# KiCad board oresat-batteries.kicad_pcb (continued)
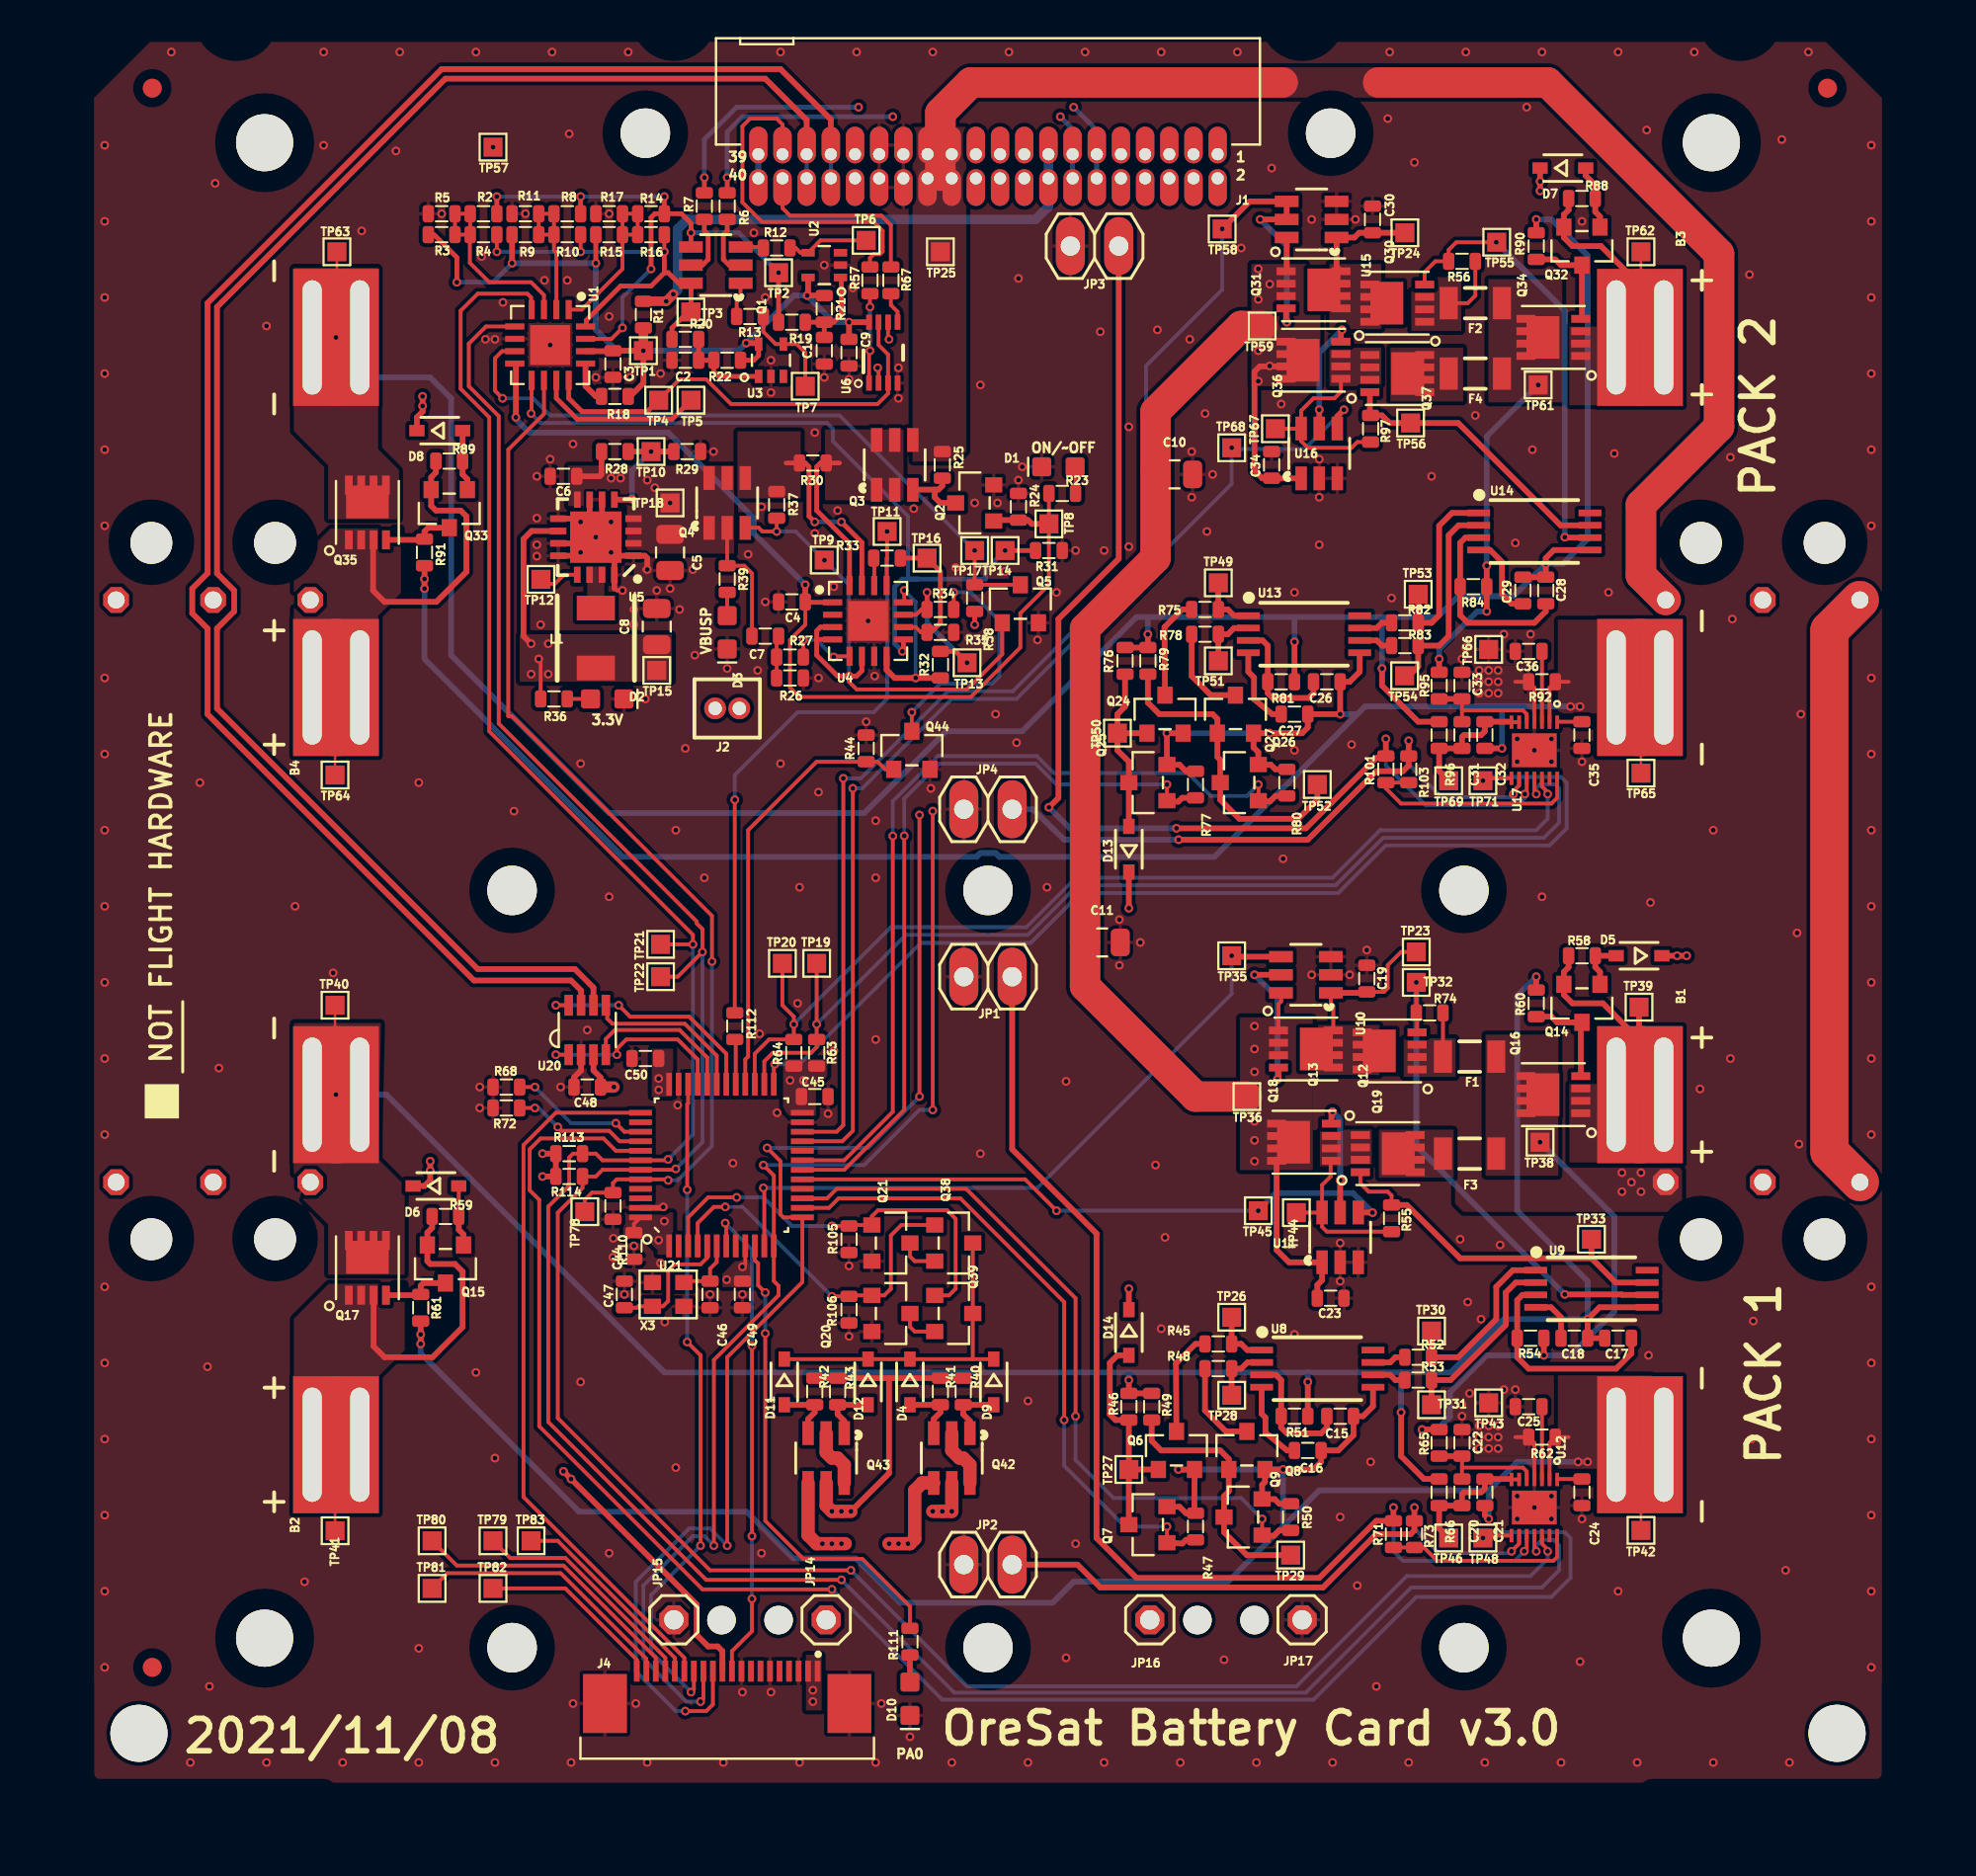
[diagram p0: board, top side]
## Footprints (pads in the part's own frame, mm; a bottom-side part is the same pattern mirrored in y, then rotated)
1X01
  rrect 1.524x1.524 hole 1.016: 1(0,0)
21-0137I_T1433-2
  rect 0.7x0.2 smd: 1(-1.475,1.2) 2(-1.475,0.8) 3(-1.475,0.4) 4(-1.475,0) 5(-1.475,-0.4) 6(-1.475,-0.8) 7(-1.475,-1.2) 8(1.475,-1.2) 9(1.475,-0.8) 10(1.475,-0.4) 11(1.475,0) 12(1.475,0.4) 13(1.475,0.8) 14(1.475,1.2)
  rect 1.78x2.35 smd: EP(0,0)
0603-SMALL
  rrect 0.6x0.9 smd: 1(-0.7,0) 2(0.7,0)
1206-C
  rect 0.95x1.7 smd: 1(-1.4,0) 2(1.4,0)
18650
  rect 0.5x0.5 smd: NEG-T(-3.35,-34.25) NEG-T(3.35,-34.25) POS-T(-3.35,34.25) POS-T(3.35,34.25)
  rect 0.5x0.5 smd far side: NEG-T(-3.35,-34.25) NEG-T(3.35,-34.25) POS-T(-3.35,34.25) POS-T(3.35,34.25)
  rect 7.2x2.25 hole 6x1: NEG-T(0,-33) NEG-T(0,-35.5) POS-T(0,35.5) POS-T(0,33)
C_0805_2012Metric
  rrect 1x1.45 smd: 1(-0.95,0) 2(0.95,0)
CRYSTAL_2.5X2
  rect 0.9x0.8 smd: 1(-0.825,-0.625) 2(0.825,-0.625) 3(0.825,0.625) 4(-0.825,0.625)
D-SOD323-R
  rect 0.8x0.6 smd: A(1.2,0) C(-1.2,0)
DCU0008A_N
  rect 0.8x0.3 smd: 1(-1.6,0.75) 2(-1.6,0.25) 3(-1.6,-0.25) 4(-1.6,-0.75) 5(1.6,-0.75) 6(1.6,-0.25) 7(1.6,0.25) 8(1.6,0.75)
FIDUCIAL-1.0X2.0
  rrect 1x1 smd: FIDUCIAL(0,0)
J-1X02
  oval 1.524x3.048 hole 1.016: 1(-1.27,0) 2(1.27,0)
J-SAMTEC-TFM-120-X1-XXX-D-RA
  oval 0.965x1.93 hole 0.635: 1(12.065,0.635) 2(12.065,-0.635) 3(10.795,0.635) 4(10.795,-0.635) 5(9.525,0.635) 6(9.525,-0.635) 7(8.255,0.635) 8(8.255,-0.635) 9(6.985,0.635) 10(6.985,-0.635) 11(5.715,0.635) 12(5.715,-0.635) 13(4.445,0.635) 14(4.445,-0.635) 15(3.175,0.635) 16(3.175,-0.635) 17(1.905,0.635) 18(1.905,-0.635) 19(0.635,0.635) 20(0.635,-0.635) 21(-0.635,0.635) 22(-0.635,-0.635) 23(-1.905,0.635) 24(-1.905,-0.635) 25(-3.175,0.635) 26(-3.175,-0.635) 27(-4.445,0.635) 28(-4.445,-0.635) 29(-5.715,0.635) 30(-5.715,-0.635) 31(-6.985,0.635) 32(-6.985,-0.635) 33(-8.255,0.635) 34(-8.255,-0.635) 35(-9.525,0.635) 36(-9.525,-0.635) 37(-10.795,0.635) 38(-10.795,-0.635) 39(-12.065,0.635) 40(-12.065,-0.635)
L-ECS-MPI4040
  rect 2x1.3 smd: 1(0,1.575) 2(0,-1.575)
LED-0603
  rrect 1x1 smd: A(-0.877,0) C(0.877,0)
ORESAT-CARD-V1.3-BATTERY-V3.0
  round 3 hole 3 unplated: (5.3,5.5) (11.9,89.1) (11.9,10.5) (87.9,89.1) (87.9,10.5) (94.5,5.5)
  round 2.6 hole 2.6 unplated: (24.9,49.8) (24.9,10) (31.9,89.6) (49.9,49.8) (49.9,10) (67.9,89.6) (74.9,49.8) (74.9,10)
  round 1.5 hole 1.5 unplated: (35.9,11.45) (38.9,11.45) (60.9,11.45) (63.9,11.45)
POWERPAK-1212-8
  rect 0.41x1 smd: 1(-0.975,-1.44) 2(-0.325,-1.44) 3(0.325,-1.44) 4(0.975,-1.44) 5(-0.975,1.44) 6(-0.325,1.44) 7(0.325,1.44) 8(0.975,1.44)
  rect 2.24x1.73 smd: PAD(0,0.55)
QFN65P400X400X80-17T210
  rect 1.01x0.32 smd: 1(-1.86,0.975) 2(-1.86,0.325) 3(-1.86,-0.325) 4(-1.86,-0.975) 9(1.86,-0.975) 10(1.86,-0.325) 11(1.86,0.325) 12(1.86,0.975)
  rect 0.32x1.01 smd: 5(-0.975,-1.86) 6(-0.325,-1.86) 7(0.325,-1.86) 8(0.975,-1.86) 13(0.975,1.86) 14(0.325,1.86) 15(-0.325,1.86) 16(-0.975,1.86)
  rect 2.1x2.1 smd: EPAD(0,0)
SAMTEC-FTS-102-01-X-S
  round 1.143 hole 0.71: 1(-0.635,0) 2(0.635,0)
SC70-5
  rect 0.4x0.7 smd: 1(-0.65,-0.85) 2(0,-0.85) 3(0.65,-0.85) 4(0.65,0.85) 5(-0.65,0.85)
SOD323-R
  rect 0.8x0.6 smd: A(1.2,0) C(-1.2,0)
SOT23-3
  rect 0.8x0.9 smd: 1(-0.95,-1) 2(0.95,-1) 3(0,1)
SOT23-6
  rect 0.6x1.25 smd: 1(0.95,1.31) 2(0,1.31) 3(-0.95,1.31) 4(-0.95,-1.31) 5(0,-1.31) 6(0.95,-1.31)
SOT23-8_TI-DCN
  rect 0.45x1.1 smd: 1(-0.975,-1.3) 2(-0.325,-1.3) 3(0.325,-1.3) 4(0.975,-1.3) 5(0.975,1.3) 6(0.325,1.3) 7(-0.325,1.3) 8(-0.975,1.3)
STM32F091C
  rect 0.3x1.2 smd: 1(-2.75,-4.25) 2(-2.25,-4.25) 3(-1.75,-4.25) 4(-1.25,-4.25) 5(-0.75,-4.25) 6(-0.25,-4.25) 7(0.25,-4.25) 8(0.75,-4.25) 9(1.25,-4.25) 10(1.75,-4.25) 11(2.25,-4.25) 12(2.75,-4.25) 25(2.75,4.25) 26(2.25,4.25) 27(1.75,4.25) 28(1.25,4.25) 29(0.75,4.25) 30(0.25,4.25) 31(-0.25,4.25) 32(-0.75,4.25) 33(-1.25,4.25) 34(-1.75,4.25) 35(-2.25,4.25) 36(-2.75,4.25)
  rect 1.2x0.3 smd: 13(4.25,-2.75) 14(4.25,-2.25) 15(4.25,-1.75) 16(4.25,-1.25) 17(4.25,-0.75) 18(4.25,-0.25) 19(4.25,0.25) 20(4.25,0.75) 21(4.25,1.25) 22(4.25,1.75) 23(4.25,2.25) 24(4.25,2.75) 37(-4.25,2.75) 38(-4.25,2.25) 39(-4.25,1.75) 40(-4.25,1.25) 41(-4.25,0.75) 42(-4.25,0.25) 43(-4.25,-0.25) 44(-4.25,-0.75) 45(-4.25,-1.25) 46(-4.25,-1.75) 47(-4.25,-2.25) 48(-4.25,-2.75)
SW-D2F-L3-D-HORIZONTAL-L
  round 2.2 hole 2.2 unplated: (-3.25,0) (3.25,0)
  rrect 1.35x1.35 hole 0.9 rot 135: C(-5.1,-3)
  rrect 1.35x1.35 hole 0.9 rot 45: NC(5.1,-3)
  rrect 1.35x1.35 hole 0.9: NO(0,-3)
SW-D2F-L3-D-HORIZONTAL-R
  round 2.2 hole 2.2 unplated: (-3.25,0) (3.25,0)
  rrect 1.35x1.35 hole 0.9 rot 45: C(5.1,-3)
  rrect 1.35x1.35 hole 0.9 rot 135: NC(-5.1,-3)
  rrect 1.35x1.35 hole 0.9: NO(0,-3)
TE_2-1734592-0
  rect 0.3x1.1 smd: 1(-4.75,-1.7) 2(-4.25,-1.7) 3(-3.75,-1.7) 4(-3.25,-1.7) 5(-2.75,-1.7) 6(-2.25,-1.7) 7(-1.75,-1.7) 8(-1.25,-1.7) 9(-0.75,-1.7) 10(-0.25,-1.7) 11(0.25,-1.7) 12(0.75,-1.7) 13(1.25,-1.7) 14(1.75,-1.7) 15(2.25,-1.7) 16(2.75,-1.7) 17(3.25,-1.7) 18(3.75,-1.7) 19(4.25,-1.7) 20(4.75,-1.7)
  rect 2.3x3.1 smd: PAD1(6.42,0) PAD2(-6.42,0)
TestPoint_Pad_1.0x1.0mm
  rect 1x1 smd: 1(0,0)
TSSOP8
  rect 1.2x0.35 smd: 1(-2.925,0.975) 2(-2.925,0.325) 3(-2.925,-0.325) 4(-2.925,-0.975) 5(2.925,-0.975) 6(2.925,-0.325) 7(2.925,0.325) 8(2.925,0.975)
U-S-PVQFN-16
  rect 0.85x0.35 smd: 1(-1.975,0.975) 2(-1.975,0.325) 3(-1.975,-0.325) 4(-1.975,-0.975) 9(1.975,-0.975) 10(1.975,-0.325) 11(1.975,0.325) 12(1.975,0.975)
  rect 0.35x0.85 smd: 5(-0.975,-1.975) 6(-0.325,-1.975) 7(0.325,-1.975) 8(0.975,-1.975) 13(0.975,1.975) 14(0.325,1.975) 15(-0.325,1.975) 16(-0.975,1.975)
  rect 2.7x2.7 smd: PAD(0,0)

## Nets
3.3V: C8.1 C44.2 C45.2 C48.2 C49.2 C50.2 J2.1 J4.11 L1.2 R36.2 R63.2 R64.2 R113.2 R114.2 TP15.1 U5.10 U20.3 U21.1 U21.9 U21.24 U21.36 U21.48
/Battery Pack 1 (BOTTOM)/VBATT-PK1: F1.2 F3.2 Q16.5 Q16.6 Q16.7 Q16.8 Q16.PAD R54.1 R65.2 TP38.1
/Battery Pack 2 (TOP)/VBATT-PK2: F2.2 F4.2 Q34.5 Q34.6 Q34.7 Q34.8 Q34.PAD R84.1 R95.2 TP61.1
GND: C1.2 C2.2 C3.1 C4.2 C5.2 C6.2 C8.2 C9.1 C10.2 C11.2 C19.2 C22.2 C23.2 C24.2 C25.2 C30.2 C33.2 C34.2 C35.2 C36.2 C44.1 C45.1 C46.2 C47.2 C48.1 C49.1 C50.1 D1.C D2.C D3.C D10.C J1.27 J1.28 J1.29 J1.30 J4.3 J4.6 J4.9 J4.PAD1 J4.PAD2 JP1.2 JP2.2 JP3.2 JP4.2 JP15.1 JP17.1 Q2.2 Q5.2 Q20.2 Q21.2 Q44.2 R5.1 R11.1 R17.1 R24.1 R26.1 R29.1 R31.1 R35.1 R44.1 R62.2 R68.2 R72.2 R92.2 R105.2 R106.2 R110.1 SW1.C SW2.C TP43.1 TP66.1 U1.6 U1.EPAD U2.2 U3.2 U4.7 U4.EPAD U5.1 U5.6 U5.7 U5.9 U5.11 U5.12 U5.16 U5.PAD U6.4 U10.2 U10.3 U11.2 U11.3 U12.4 U12.EP U15.2 U15.3 U16.2 U16.3 U17.4 U17.EP U20.2 U21.8 U21.23 U21.35 U21.47 X3.2 X3.4
VBAT: C10.1 C11.1 C23.1 C34.1 Q13.1 Q13.2 Q13.3 Q18.5 Q18.6 Q18.7 Q18.8 Q18.PAD Q31.1 Q31.2 Q31.3 Q36.5 Q36.6 Q36.7 Q36.8 Q36.PAD SW3.C TP36.1 TP59.1 U10.6 U11.1 U15.6 U16.1
VBUS: J1.23 J1.24 J1.25 J1.26 Q3.4 R25.2 SW4.C TP25.1
VBUSP: C5.1 C6.1 C7.2 J4.1 J4.2 Q4.1 Q4.2 Q4.5 Q4.6 Q42.5 Q43.5 R28.2 R39.2 R40.1 R41.1 R42.1 R43.1 TP18.1 U5.2 U5.3 U5.4 U5.8
/Battery Pack 1 (BOTTOM)/CSP-PK1: B2.NEG-T C15.2 C16.2 C21.2 Q6.2 Q7.2 Q8.2 Q9.2 R47.1 R50.1 R61.2 R62.1 TP42.1 U8.5 U12.2
/Battery Pack 1 (BOTTOM)/INTERCELL-PK1: B1.NEG-T C17.2 C18.2 Q17.5 Q17.6 Q17.7 Q17.8 Q17.PAD R46.2 R49.1 R51.2 R60.2 R66.1 TP40.1 U9.5
/Battery Pack 1 (BOTTOM)/~{CHARGE-PK1}: Q19.4 R55.1 TP33.1 U9.7
/Battery Pack 1 (BOTTOM)/~{DISCHARGE-PK1}: Q12.4 R74.2 TP32.1 U9.6
/Battery Pack 2 (TOP)/CSP-PK2: B4.NEG-T C26.2 C27.2 C32.2 Q24.2 Q25.2 Q26.2 Q27.2 R77.1 R80.1 R91.2 R92.1 TP65.1 U13.5 U17.2
/Battery Pack 2 (TOP)/INTERCELL-PK2: B3.NEG-T C28.2 C29.2 Q35.5 Q35.6 Q35.7 Q35.8 Q35.PAD R76.2 R79.1 R81.2 R90.2 R96.1 TP63.1 U14.5
/Battery Pack 2 (TOP)/~{CHARGE-PK2}: Q37.4 R97.1 TP56.1 U14.7
/Battery Pack 2 (TOP)/~{DISCHARGE-PK2}: Q30.4 R56.1 TP55.1 U14.6
/Microcontroller/CAN_RX: U20.4 U21.32
/Microcontroller/CAN_SHDN: U20.5 U21.31
/Microcontroller/CAN_TX: U20.1 U21.33
/Microcontroller/HEATER-ON-1: Q21.1 Q39.1 R105.1 U21.3
/Microcontroller/HEATER-ON-2: Q20.1 Q38.1 R106.1 U21.4
/Microcontroller/NRESET: J4.10 U21.7
/Microcontroller/PA0: R111.2 U21.10
/Microcontroller/PA8/POUTPROT: R112.2 U21.29
/Microcontroller/PA9/CAN_SILENT: U20.8 U21.30
/Microcontroller/SWCLK: J4.15 U21.37
/Microcontroller/SWDIO: J4.14 U21.34
/Power/AD0: R14.2 R15.1 R16.1 R17.2 U1.1
/Power/AD1: R8.2 R9.1 R10.1 R11.2 U1.2
/Power/AD2: R2.2 R3.1 R4.1 R5.2 U1.3
/Power/CB-RESET: R31.2 TP14.1 U1.9 U4.9
/Power/CB_CTRL: Q4.3 Q5.1 R37.1 TP9.1 U4.3 U4.4 U4.6
/Power/ON/~{OFF}: C4.1 Q2.1 R23.2 R24.2 TP8.1 U1.8 U4.1
/Power/PEN-SCL-FILT: Q1.4 R2.1 R8.1 R14.1 R19.2 TP2.1 U1.15
/Power/PEN-SDA-FILT: Q1.6 R4.2 R10.2 R16.2 R20.2 TP3.1 U1.16
/Power/~{FAULT}: Q5.3 R38.1 TP17.1 U1.7
ALERTA-PK1: TP48.1 U12.8 U21.41
ALERTA-PK2: TP71.1 U17.8 U21.25
BOOT0: R110.2 TP78.1 U1.10 U21.44
C3-UART-RX: J1.38 R67.2
C3-UART-TX: J1.37 R57.2
CAN1_H: J1.33 J1.34 U20.7
CAN1_L: J1.35 J1.36 U20.6
CHARGE-DISABLE-PK1: Q7.1 R47.2 U21.14
CHARGE-DISABLE-PK2: Q25.1 R77.2 U21.18
CHARGE-STAT-OC-PK1: TP45.1 U11.4 U21.17
CHARGE-STAT-OC-PK2: TP68.1 U16.4 U21.21
DCHG-STAT-OC-PK1: TP35.1 U10.4 U21.11
DCHG-STAT-OC-PK2: Q31.4 TP58.1 U15.4 U15.5 U21.22
DISCHARGE-DISABLE-PK1: Q9.1 R50.2 U21.15
DISCHARGE-DISABLE-PK2: Q27.1 R80.2 U21.19
I2C2_SCL: R63.1 TP19.1 U17.11 U21.26
I2C2_SDA: R64.1 TP20.1 U17.12 U21.27
MOARPWR: Q44.1 R44.2 U21.28
OPD_PWR: J1.15 J1.16 R1.1
OPD_SCL: J1.13 J1.14 R6.1
OPD_SDA: J1.11 J1.12 R7.1
PA2/USART2_TX: J4.13 U6.6 U21.12
PA3/USART2_RX: J4.12 U6.2 U21.13
PB6/SCL: R113.1 TP21.1 U1.4 U12.11 U21.42
PB7/SDA: R114.1 TP22.1 U1.5 U12.12 U21.43
POUT: R112.1 TP11.1 U4.13
VPD: C3.2 C9.2 J2.2 R1.2 R3.2 R9.2 R15.2 R18.2 R21.2 R22.2 R38.2 TP1.1 U1.14 U2.5 U3.5 U6.8
~{SD}: D5.C D6.C D7.C D8.C D13.C D14.C J1.39 J1.40 SW1.NO SW2.NO TP57.1
Net-(B1-PadPOS-T): B1.POS-T Q14.2 Q16.1 Q16.2 Q16.3 R58.2 TP39.1
Net-(B2-PadPOS-T): B2.POS-T Q15.2 Q17.1 Q17.2 Q17.3 R59.1 TP41.1
Net-(B3-PadPOS-T): B3.POS-T Q32.2 Q34.1 Q34.2 Q34.3 R88.2 TP62.1
Net-(B4-PadPOS-T): B4.POS-T Q33.2 Q35.1 Q35.2 Q35.3 R89.1 TP64.1
Net-(C1-Pad1): C1.1 R19.1 R21.1 U2.1
Net-(C2-Pad1): C2.1 R20.1 R22.1 U3.1
Net-(C7-Pad1): C7.1 R26.2 R27.2
Net-(C15-Pad1): C15.1 R51.1 U8.3
Net-(C16-Pad1): C16.1 U8.4
Net-(C17-Pad1): C17.1 R54.2 U9.3
Net-(C18-Pad1): C18.1 U9.4
Net-(C19-Pad1): C19.1 Q12.5 Q12.6 Q12.7 Q12.8 Q12.PAD Q13.5 Q13.6 Q13.7 Q13.8 Q13.PAD TP23.1 U10.1
Net-(C20-Pad1): C20.1 C22.1 R65.1 U12.5
Net-(C20-Pad2): C20.2 C21.1 R66.2 TP46.1 U12.6 U12.7
Net-(C24-Pad1): C24.1 U12.1
Net-(C25-Pad1): C25.1 U12.3
Net-(C26-Pad1): C26.1 R81.1 U13.3
Net-(C27-Pad1): C27.1 U13.4
Net-(C28-Pad1): C28.1 R84.2 U14.3
Net-(C29-Pad1): C29.1 U14.4
Net-(C30-Pad1): C30.1 Q30.5 Q30.6 Q30.7 Q30.8 Q30.PAD Q31.5 Q31.6 Q31.7 Q31.8 Q31.PAD TP24.1 U15.1
Net-(C31-Pad1): C31.1 C33.1 R95.1 U17.5
Net-(C31-Pad2): C31.2 C32.1 R96.2 TP69.1 U17.6 U17.7
Net-(C35-Pad1): C35.1 U17.1
Net-(C36-Pad1): C36.1 U17.3
Net-(C46-Pad1): C46.1 U21.6 X3.3
Net-(C47-Pad1): C47.1 U21.5 X3.1
Net-(D1-PadA): D1.A R23.1
Net-(D2-PadA): D2.A R36.1
Net-(D3-PadA): D3.A R39.1
Net-(D4-PadA): D4.A Q42.3 R41.2
Net-(D5-PadA): D5.A Q14.1 R58.1
Net-(D6-PadA): D6.A Q15.1 R59.2
Net-(D7-PadA): D7.A Q32.1 R88.1
Net-(D8-PadA): D8.A Q33.1 R89.2
Net-(D9-PadA): D9.A Q42.1 R40.2
Net-(D10-PadA): D10.A R111.1
Net-(D11-PadA): D11.A Q43.3 R42.2
Net-(D11-PadC): D4.C D9.C D11.C D12.C Q38.3 Q39.3
Net-(D12-PadA): D12.A Q43.1 R43.2
Net-(D13-PadA): D13.A Q24.1 Q25.3 R76.1 TP50.1
Net-(D14-PadA): D14.A Q6.1 Q7.3 R46.1 TP27.1
Net-(F1-Pad1): F1.1 Q12.1 Q12.2 Q12.3 R74.1
Net-(F2-Pad1): F2.1 Q30.1 Q30.2 Q30.3 R56.2
Net-(F3-Pad1): F3.1 Q19.5 Q19.6 Q19.7 Q19.8 Q19.PAD
Net-(F4-Pad1): F4.1 Q37.5 Q37.6 Q37.7 Q37.8 Q37.PAD
Net-(J4-Pad16): J4.16 TP83.1
Net-(J4-Pad17): J4.17 TP79.1
Net-(J4-Pad18): J4.18 TP80.1
Net-(J4-Pad19): J4.19 TP81.1
Net-(J4-Pad20): J4.20 TP82.1
Net-(JP1-Pad1): JP1.1 R71.1 U12.10
Net-(JP2-Pad1): JP2.1 R73.1 U12.9
Net-(JP3-Pad1): JP3.1 R101.1 U17.10
Net-(JP4-Pad1): JP4.1 R103.1 U17.9
Net-(JP14-Pad1): JP14.1 JP16.1 Q42.4 Q43.4
Net-(L1-Pad1): L1.1 U5.14 U5.15
Net-(Q1-Pad1): Q1.1 R13.2
Net-(Q1-Pad2): Q1.2 R6.2
Net-(Q1-Pad3): Q1.3 R12.2
Net-(Q1-Pad5): Q1.5 R7.2
Net-(Q2-Pad3): Q2.3 Q3.3 R25.1
Net-(Q3-Pad1): Q3.1 Q3.2 Q3.5 Q3.6 R30.1 U4.16
Net-(Q4-Pad4): Q4.4 R30.2 R37.2 U4.15
Net-(Q6-Pad3): Q6.3 R45.1
Net-(Q8-Pad1): Q8.1 Q9.3 R49.2 TP29.1
Net-(Q8-Pad3): Q8.3 R48.1
Net-(Q13-Pad4): Q13.4 U10.5
Net-(Q14-Pad3): Q14.3 Q16.4 R60.1
Net-(Q15-Pad3): Q15.3 Q17.4 R61.1
Net-(Q18-Pad1): Q18.1 Q18.2 Q18.3 Q19.1 Q19.2 Q19.3 R55.2 TP44.1 U11.6
Net-(Q18-Pad4): Q18.4 U11.5
Net-(Q20-Pad3): Q20.3 Q39.2
Net-(Q21-Pad3): Q21.3 Q38.2
Net-(Q24-Pad3): Q24.3 R75.1
Net-(Q26-Pad1): Q26.1 Q27.3 R79.2 TP52.1
Net-(Q26-Pad3): Q26.3 R78.1
Net-(Q32-Pad3): Q32.3 Q34.4 R90.1
Net-(Q33-Pad3): Q33.3 Q35.4 R91.1
Net-(Q36-Pad1): Q36.1 Q36.2 Q36.3 Q37.1 Q37.2 Q37.3 R97.2 TP67.1 U16.6
Net-(Q36-Pad4): Q36.4 U16.5
Net-(Q42-Pad2): Q42.2 Q42.6
Net-(Q43-Pad2): Q43.2 Q43.6
Net-(Q44-Pad3): Q44.3 R34.1
Net-(R12-Pad1): R12.1 TP6.1 U2.4
Net-(R13-Pad1): R13.1 TP7.1 U3.4
Net-(R18-Pad1): R18.1 U1.13
Net-(R27-Pad1): R27.1 U4.5
Net-(R28-Pad1): R28.1 R29.2 TP10.1 U5.5
Net-(R32-Pad1): R32.1 R34.2 TP13.1 U4.11
Net-(R32-Pad2): R32.2 U4.8 U4.12
Net-(R33-Pad1): R33.1 R35.2 TP16.1 U4.10
Net-(R33-Pad2): R33.2 U4.14
Net-(R45-Pad2): R45.2 TP26.1 U8.1
Net-(R48-Pad2): R48.2 TP28.1 U8.2
Net-(R52-Pad1): R52.1 U8.7
Net-(R52-Pad2): R52.2 TP30.1 U9.1
Net-(R53-Pad1): R53.1 U8.6
Net-(R53-Pad2): R53.2 TP31.1 U9.2
Net-(R57-Pad1): R57.1 U6.1
Net-(R67-Pad1): R67.1 U6.5
Net-(R68-Pad1): R68.1 U21.39
Net-(R71-Pad2): R71.2 R73.2 U12.14
Net-(R72-Pad1): R72.1 U21.40
Net-(R75-Pad2): R75.2 TP49.1 U13.1
Net-(R78-Pad2): R78.2 TP51.1 U13.2
Net-(R82-Pad1): R82.1 U13.7
Net-(R82-Pad2): R82.2 TP53.1 U14.1
Net-(R83-Pad1): R83.1 U13.6
Net-(R83-Pad2): R83.2 TP54.1 U14.2
Net-(R101-Pad2): R101.2 R103.2 U17.14
Net-(SW3-PadNC): SW3.NC SW4.NC
Net-(TP4-Pad1): TP4.1 U1.12 U6.3 U6.7
Net-(TP5-Pad1): TP5.1 U1.11
Net-(TP12-Pad1): TP12.1 U5.13

Pads without a net: FIDUCIAL1 FIDUCIAL; FIDUCIAL2 FIDUCIAL; FIDUCIAL3 FIDUCIAL; J1 1 2 3 4 5 6 7 8 9 10 17 18 19 20 21 22 31 32; J4 4 5 7 8; SW1 NC; SW2 NC; SW3 NO; SW4 NO; U2 3; U3 3; U4 2; U8 8; U9 8; U12 13; U13 8; U14 8; U17 13; U21 2 16 20 38 45 46

## Via types
v1: diameter 0.457, hole 0.254, Top to Bottom, 579 vias

## Routing (per net, layer and track width the routed paths; a pad name or vN(x,y) marks a point on that pad's centre or on a via; arc(x,y) is an arc through that point)
3.3V: length 31.3
  Top w0.2: U21.9 37.15,30.17 v1(37,30.02) ; C44.2 31.3,32.27 U21.48 ; R36.2 26.4,61.87 v1(26.3,61.97)
  Top w0.3: U20.3 29.17,40.34 29.55,39.97 C48.2 ; v1(25.9,62.77) 25.5,63.17 25.5,68.27 25.92,68.69 U5.10 ; J4.11 35.95,9.82 35.7,10.07 35.2,10.07 34.6,10.67 34.6,12.27 v1(27.6,19.27) ; v1(26.5,34.77) R114.2 R113.2 v1(26.5,35.97)
  Top w0.6: C48.2 v1(30.25,39.47)
  vias: v1(25.9,61.17) v1(26.8,62.77) v1(26.8,61.17) v1(28,18.87) v1(32.6,39.92) v1(32.6,39.32) v1(32.6,31.42) v1(32.9,32.42) v1(36.17,29.34) v1(39.5,39.82) v1(40.2,39.82)
/Battery Pack 1 (BOTTOM)/VBATT-PK1: length 25.7
  Top w0.3: R65.2 v1(72.7,21.47) ; R54.1 v1(79.1,25.37)
  Bottom w0.3: v1(72.7,21.47) 73.5,21.47 74.17,22.14 74.17,23.43 76.11,25.37 v1(79.1,25.37) 80.5,25.37 82.8,27.67 82.8,32.67 v1(78.9,36.57)
/Battery Pack 2 (TOP)/VBATT-PK2: length 17.5
  Top w0.3: v1(76.1,66.87) R84.1 v1(76.1,64.47) ; v1(73.6,61.97) R95.2
  Bottom w0.3: v1(73.6,61.97) 73.6,62.47 75.6,64.47 v1(76.1,64.47) ; v1(76.1,66.87) 76.1,73.67 v1(78.8,76.37)
GND: length 26.3
  Top w0.2: 30.27,65.67 30.31,65.67 30.42,65.57 v1(30.7,65.57) ; 77.6,60.77 R92.2 78.6,60.47 U17.4 ; 77.6,21.07 R62.2 78.6,20.77 U12.4 ; 32.79,33.12 v1(32.84,33.17)
  Top w0.3: C48.1 28.15,39.97 28.52,40.34 U20.2 ; v1(29.3,68.37) 28.32,67.39 U5.12 ; v1(29.3,68.37) 30.27,67.39 ; v1(29.3,68.37) 28.97,68.04 U5.11 ; v1(29.3,68.37) 28.32,69.34 U5.9 ; v1(29.3,68.37) 28.97,68.69 U5.7 ; v1(29.3,68.37) 29.62,68.69 U5.6 ; 30.27,67.39 U5.16 30.27,65.67 ; 30.27,67.39 U5.1 31.87,67.39 32,67.27 32,66.77 ; 32,66.77 v1(32,66.67) 31.9,66.67 32,66.77 ; U21.47 32.79,33.12
  vias: v1(3.5,88.97) v1(3.5,84.97) v1(3.5,80.97) v1(3.5,76.97) v1(3.5,72.97) v1(3.5,68.97) v1(3.5,60.97) v1(3.5,56.97) v1(3.5,52.97) v1(3.5,48.97) v1(3.5,44.97) v1(3.5,40.97) v1(3.5,36.97) v1(3.5,28.97) v1(3.5,24.97) v1(3.5,20.97) v1(3.5,16.97) v1(3.5,12.97) v1(3.5,8.97) v1(7,93.87) v1(8,3.97) v1(8.5,55.47) v1(8.9,24.77) v1(9,7.97) v1(9.3,86.97) v1(9.5,40.47) v1(12,79.47) v1(12,3.97) v1(13.5,48.97) v1(14,13.47) v1(15,93.87) v1(15,88.97) v1(15.5,45.47) v1(16,3.97) v1(17,84.47) v1(18.8,88.67) v1(19,93.87) v1(20,55.47) v1(20,9.97) v1(20,3.97) v1(21.2,85.37) v1(23,93.87) v1(23,24.47) v1(23.2,39.47) v1(23.2,38.37) v1(23.3,83.12) v1(23.5,78.77) v1(24,78.77) v1(24,19.97) v1(24,3.97) v1(24.42,80.71) v1(25,53.97) v1(25.6,85.37) v1(26.2,71.57) v1(26.2,69.37) v1(26.2,67.97) v1(26.2,67.37) v1(26.4,63.77) v1(26.6,81.87) v1(26.9,78.47) v1(26.9,72.47) v1(27,93.87) v1(27.45,39.47) v1(27.8,81.87) v1(27.9,89.57) v1(28,3.97) v1(28.1,73.27) v1(28.1,7.07) v1(28.5,69.17) v1(28.5,67.57) v1(28.5,56.47) v1(28.5,23.97) v1(28.85,42.47) v1(29.3,76.77) v1(30,85.37) v1(30,79.97) v1(30,49.47) v1(30,14.97) v1(30.1,69.17) v1(30.1,67.57) v1(30.22,31.52) v1(30.2,30.52) v1(30.8,28.57) v1(31,93.87) v1(31.1,76.77) v1(31.3,64.57) v1(31.3,63.77) v1(31.3,31.12) v1(31.4,7.07) v1(31.9,59.87) v1(32,3.97) v1(32.5,65.57) v1(32.7,76.97) v1(32.7,30.22) v1(32.92,27.12) v1(33.2,65.67) v1(33.5,52.97) v1(33.5,19.47) v1(33.6,38.52) v1(33.7,64.57) v1(34,57.27) v1(34.4,66.67) v1(34.5,62.17) v1(35,50.47) v1(35.3,28.57) v1(35.48,72.87) v1(36,3.97) v1(36.2,61.47) v1(36.5,35.47) v1(37,28.57) v1(37,7.67) v1(37.3,67.47) v1(37.6,84.37) v1(37.8,61.37) v1(37.9,42.27) v1(38,69.97) v1(38,14.97) v1(38.2,80.97) v1(38.2,64.97) v1(38.5,77.67) v1(38.5,75.97) v1(38.5,7.67) v1(38.82,38.12) v1(39,93.87) v1(39,56.47) v1(39.9,43.87) v1(40,49.97) v1(40,3.97) v1(40.8,73.87) v1(40.8,68.57) v1(41,60.97) v1(41,54.97) v1(41.3,82.67) v1(41.3,76.77) v1(41.5,38.07) v1(41.8,65.77) v1(41.8,41.37) v1(42,69.77) v1(42.6,76.67) v1(42.6,30.07) v1(42.6,26.37) v1(42.8,81.47) v1(43,93.87) v1(43.5,58.67) v1(43.6,63.97) v1(43.95,61.07) v1(44,53.47) v1(44,50.47) v1(44,41.97) v1(44,3.97) v1(44.3,7.07) v1(45.2,77.27) v1(45.2,75.67) v1(45.8,5.32) v1(46,69.87) v1(46.9,55.17) v1(47,93.87) v1(48,3.97) v1(48.2,66.77) v1(48.9,63.07) v1(49.2,70.17) v1(49.5,76.37) v1(49.5,35.97) v1(50.3,59.07) v1(50.4,70.17) v1(50.8,66.57) v1(51,93.87) v1(51.4,57.57) v1(51.5,81.97) v1(51.5,71.37) v1(51.7,72.07) v1(52,22.97) v1(52,3.97) v1(52.5,62.97) v1(53,49.97) v1(53.5,65.47) v1(54,39.77) v1(54,9.47) v1(54.5,67.67) v1(54.5,15.47) v1(55,93.87) v1(55.8,79.17) v1(56,67.67) v1(56,3.97) v1(56.8,48.27) v1(56.8,45.87) v1(57.3,74.17) v1(57.3,67.87) v1(57.9,47.07) v1(58.7,35.37) v1(58.8,79.27) v1(59,93.87) v1(59,26.77) v1(59.2,31.57) v1(60,3.97) v1(60.5,78.77) v1(60.6,72.87) v1(60.6,70.47) v1(61.3,74.87) v1(61.4,68.67) v1(61.7,71.67) v1(62.3,9.37) v1(63,93.87) v1(63.2,83.57) v1(64,3.97) v1(64.8,87.77) v1(65.3,75.37) v1(65.4,51.47) v1(66,65.47) v1(66,57.17) v1(66,26.47) v1(66.9,85.07) v1(66.9,45.37) v1(67.3,72.47) v1(67.3,70.47) v1(67.3,67.97) v1(68,3.97) v1(68.4,31.27) v1(68.4,29.27) v1(68.4,16.87) v1(68.9,45.37) v1(69,57.47) v1(69.2,85.07) v1(69.3,13.27) v1(69.8,46.67) v1(70,19.77) v1(70.3,7.97) v1(70.9,90.37) v1(71,93.87) v1(71.1,65.17) v1(72,3.97) v1(72.3,88.07) v1(73.2,71.57) v1(74.7,31.47) v1(74.8,61.97) v1(74.8,22.77) v1(74.8,22.17) v1(75,93.87) v1(75,62.57) v1(75.1,28.17) v1(75.2,23.37) v1(75.5,74.77) v1(75.7,61.37) v1(75.7,60.77) v1(75.7,60.17) v1(75.7,21.67) v1(75.7,21.07) v1(75.7,20.47) v1(75.8,27.27) v1(76,3.97) v1(76.2,61.37) v1(76.2,60.77) v1(76.2,60.17) v1(76.2,21.67) v1(76.2,21.07) v1(76.2,20.47) v1(76.7,61.37) v1(76.7,60.77) v1(76.7,60.17) v1(76.7,21.67) v1(76.7,21.07) v1(76.7,20.47) v1(76.8,31.17) v1(77,63.27) v1(77,23.57) v1(77.6,68.07) v1(77.6,23.57) v1(77.7,57.77) v1(77.7,56.57) v1(77.7,17.97) v1(77.7,16.77) v1(78.2,90.97) v1(78.4,63.27) v1(78.5,72.97) v1(78.6,57.17) v1(78.6,17.37) v1(79,93.87) v1(79,49.47) v1(79.5,57.77) v1(79.5,56.57) v1(79.5,17.97) v1(79.5,16.77) v1(80,3.97) v1(81,9.27) v1(81.1,84.97) v1(81.1,56.57) v1(81.1,16.77) v1(82.5,65.47) v1(82.8,72.77) v1(83,93.87) v1(83,12.97) v1(84,3.97) v1(84.5,89.77) v1(84.6,25.37) v1(84.7,49.17) v1(87,93.87) v1(87.3,39.37) v1(88,52.97) v1(88,3.97) v1(88.9,72.57) v1(88.9,40.97) v1(89,64.07) v1(89.9,82.17) v1(90,20.97) v1(90.1,27.17) v1(91.6,89.27) v1(91.8,14.07) v1(92,3.97) v1(92.4,47.57) v1(92.5,36.47) v1(92.6,59.07) v1(93,93.87) v1(96.3,88.97) v1(96.3,84.97) v1(96.3,80.97) v1(96.3,76.97) v1(96.3,72.97) v1(96.3,68.97) v1(96.3,60.97) v1(96.3,56.97) v1(96.3,52.97) v1(96.3,48.97) v1(96.3,44.97) v1(96.3,40.97) v1(96.3,36.97) v1(96.3,28.97) v1(96.3,24.97) v1(96.3,20.97) v1(96.3,16.97) v1(96.3,12.97) v1(96.3,8.97)